# Altium PCB ZYNQ-7000_SOM_Bd.PcbDoc (part 1 of 6)
Units mm, origin at the board's own origin, x right, y up, seen from the top; angles counter-clockwise.
Board outline 69.6 x 45 mm, 8 copper layers (L1 (Sig), L2 (GND), L3 (PWR), L4 (Sig), L5 (GND), L6 (Sig), L7 (GND), L8 (Sig)), stack 1.188 mm thick; 246 components, 201 nets, 1392 pads, 883 vias.
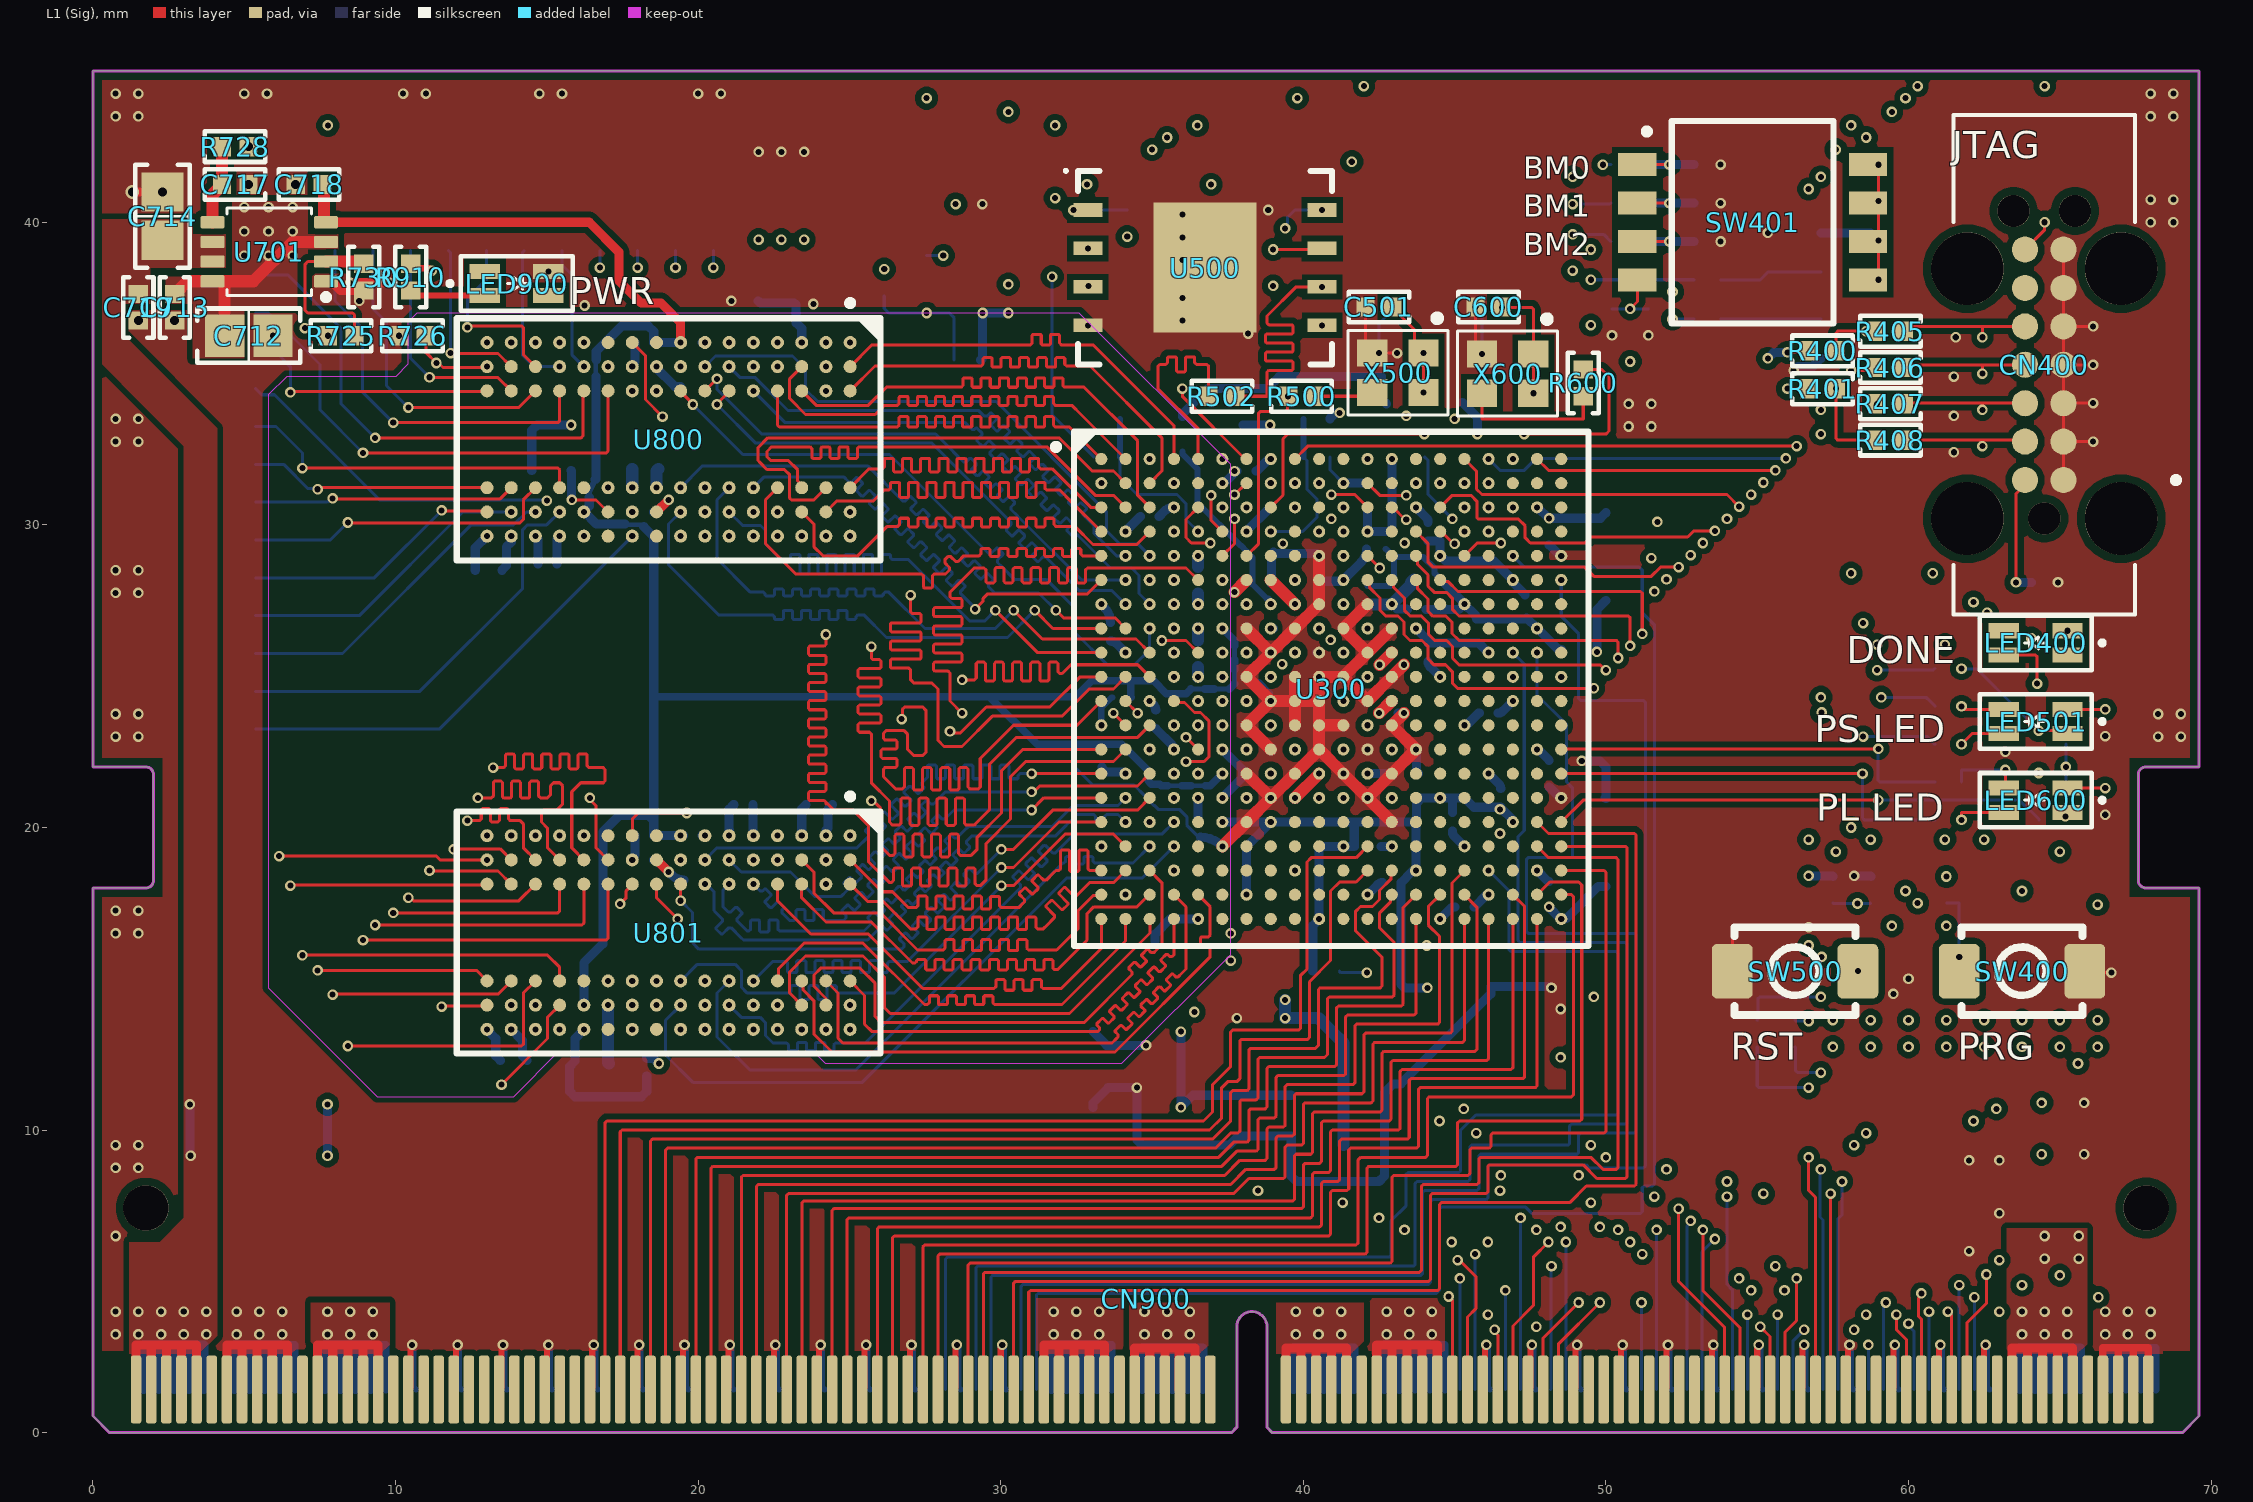
[diagram p0: L1 (Sig) view]
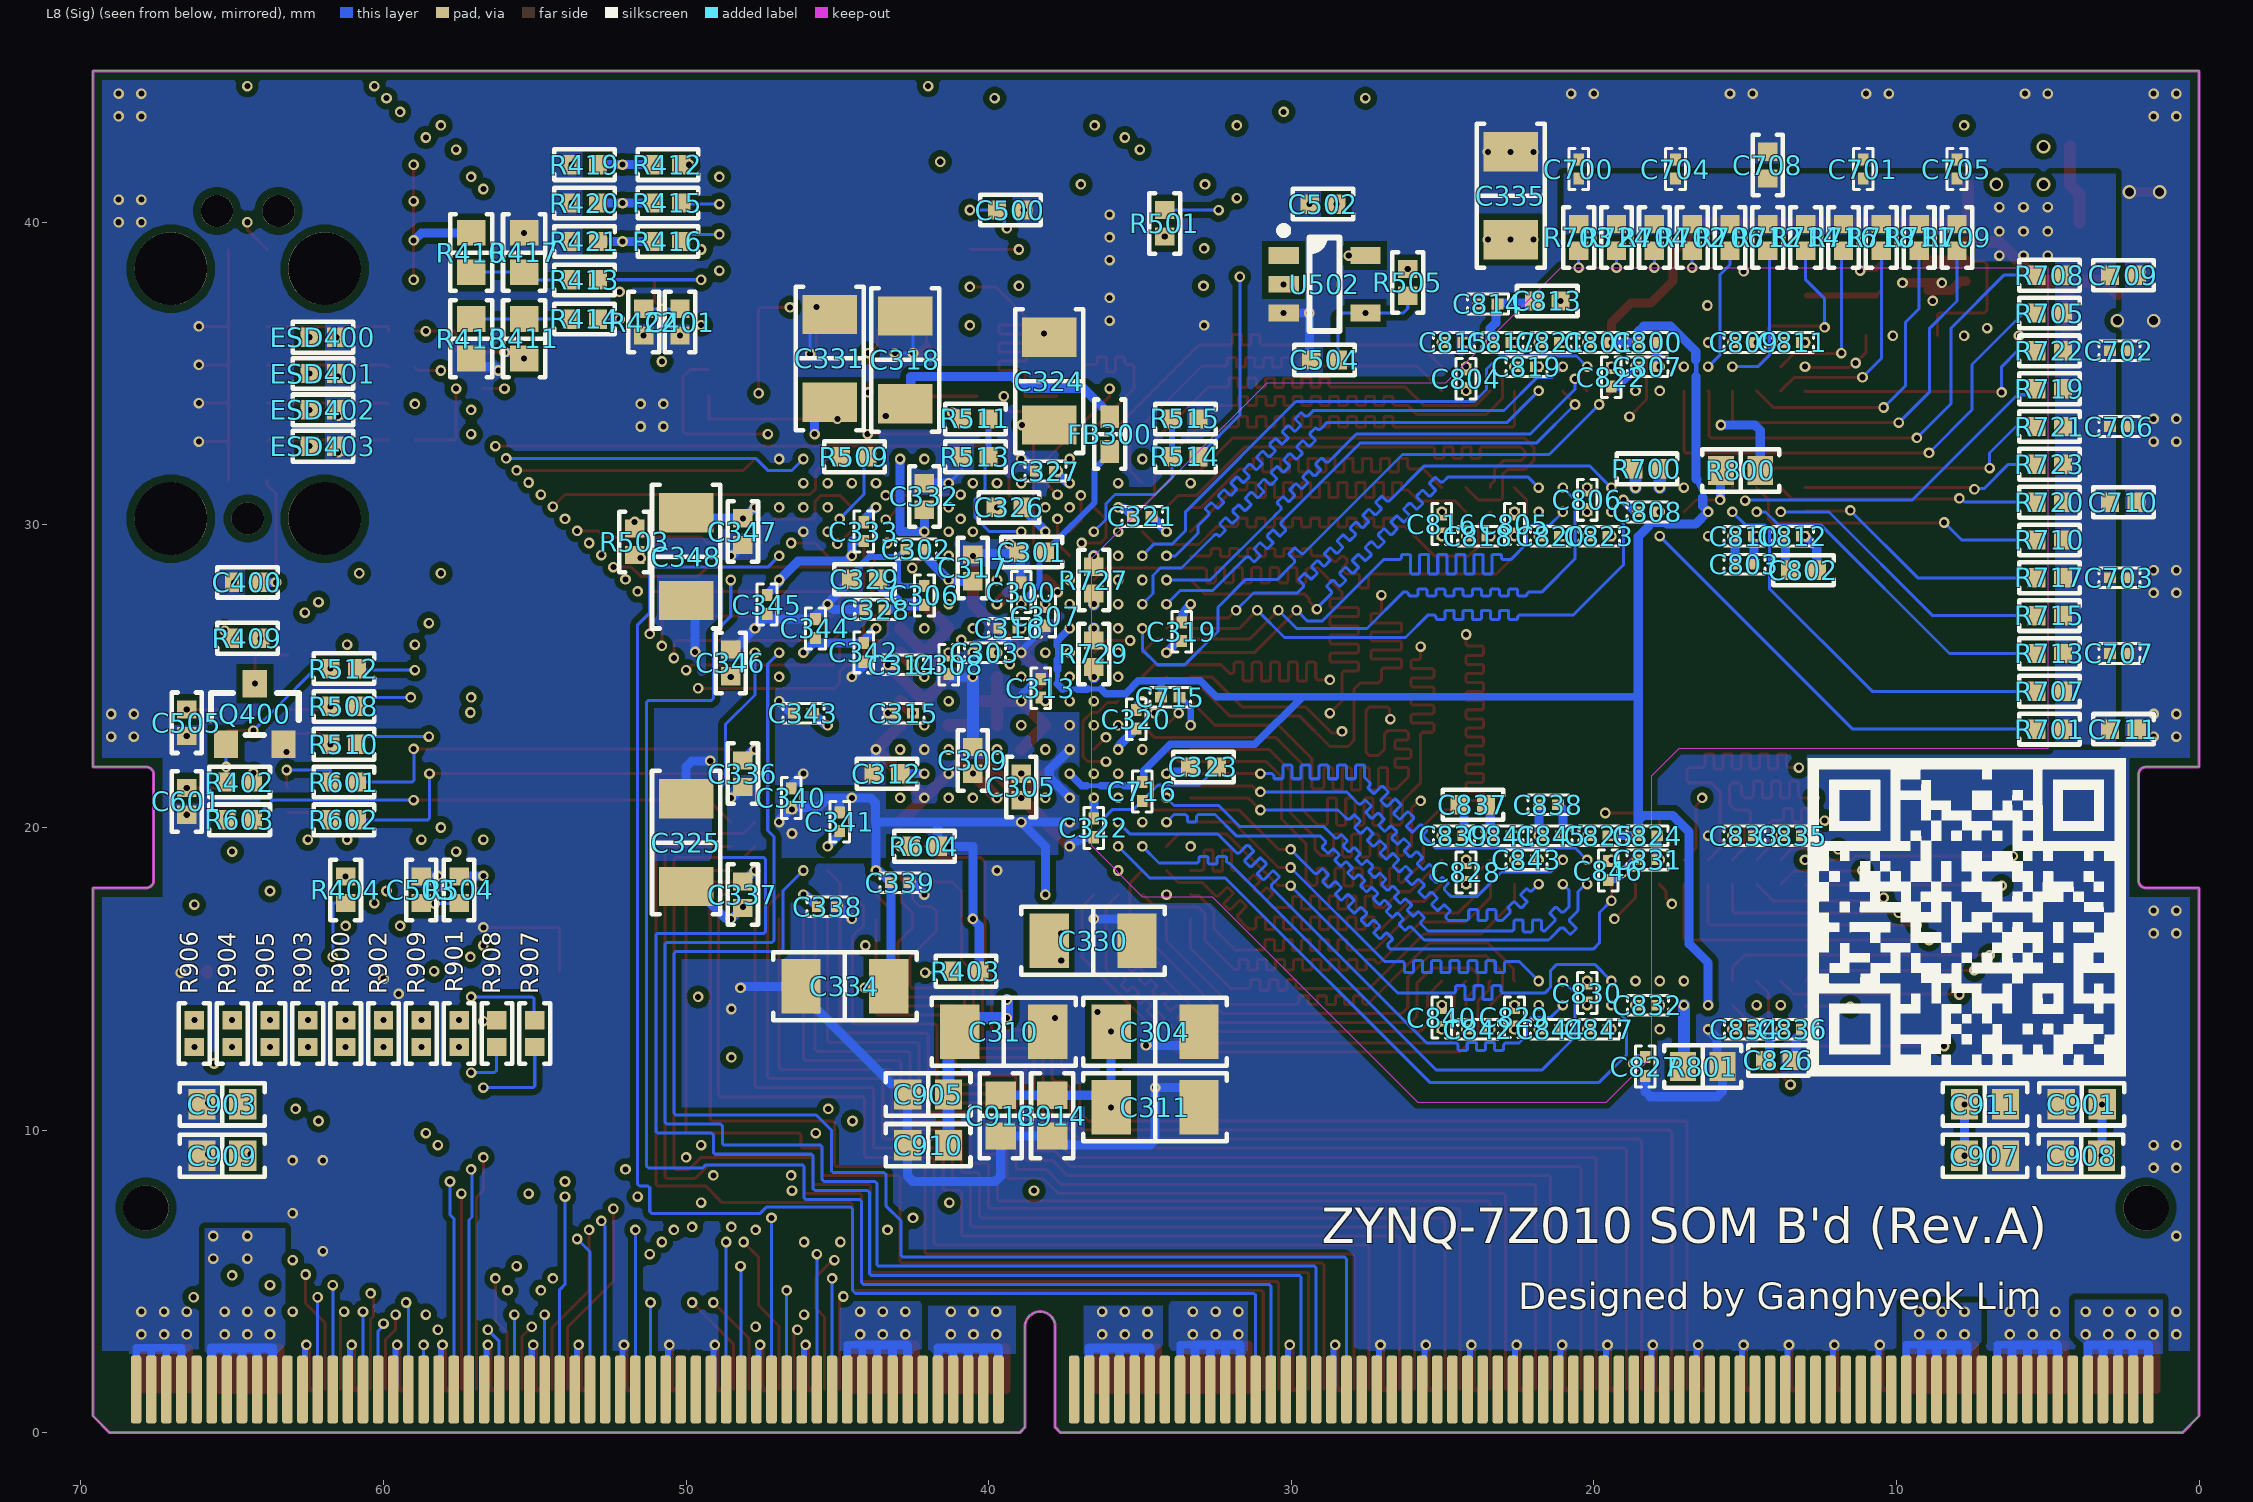
[diagram p1: L8 (Sig) view, seen from below]
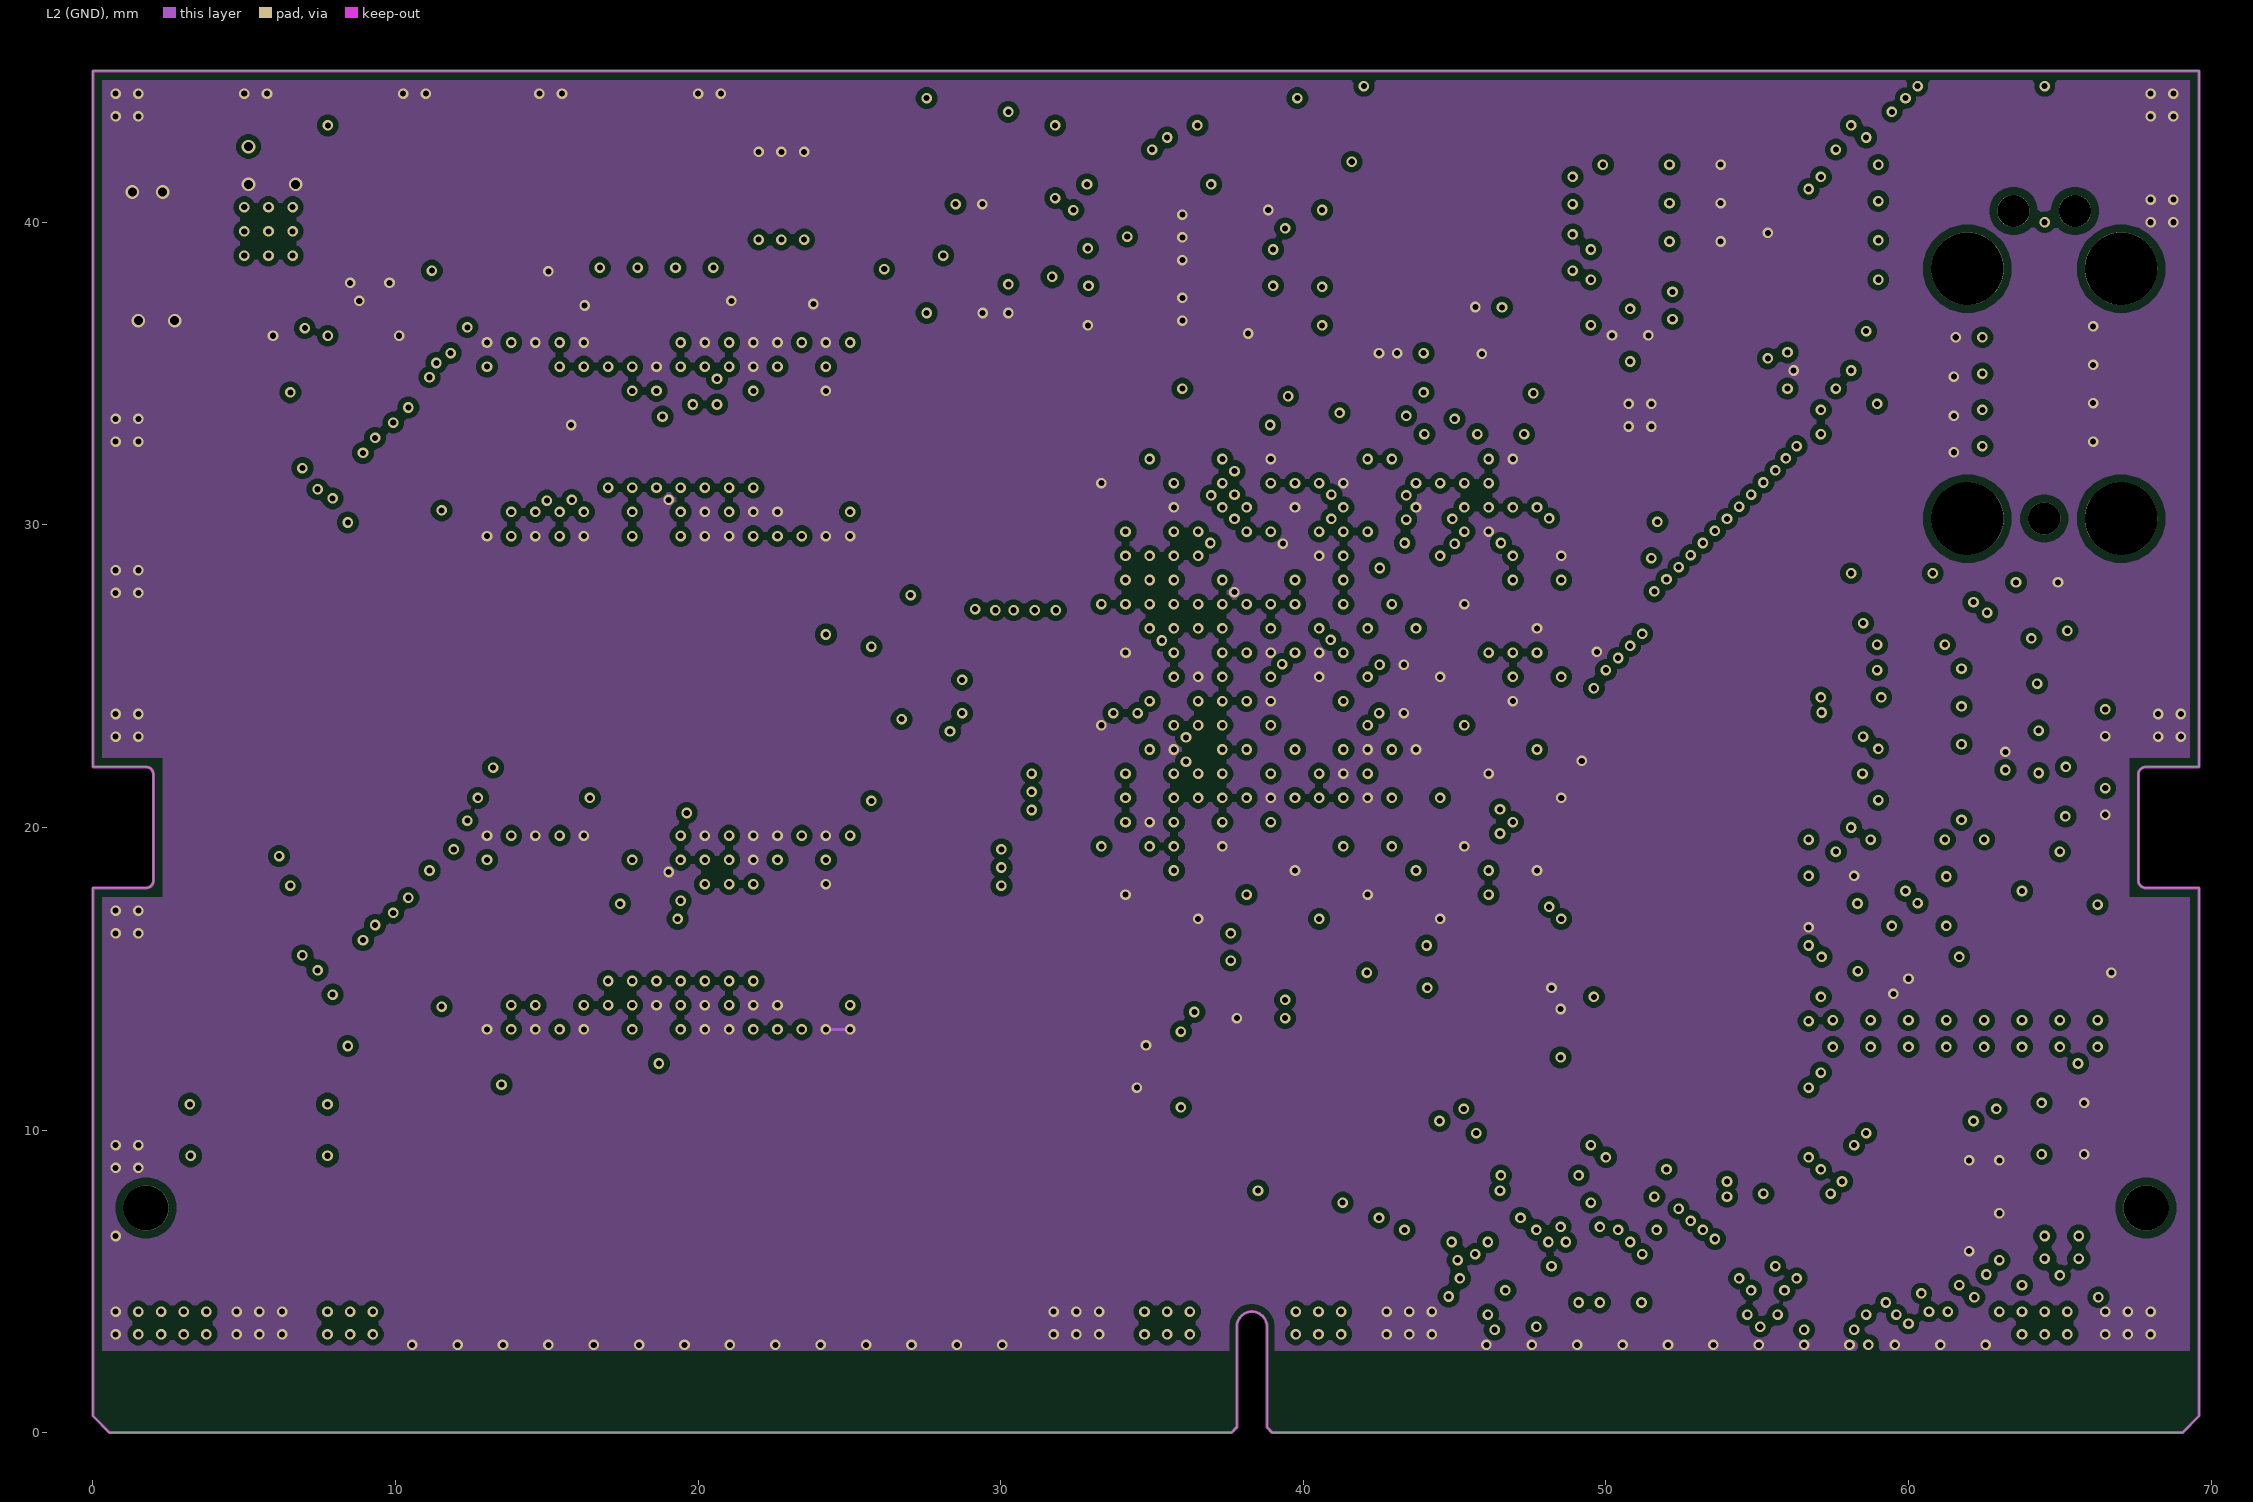
[diagram p2: L2 (GND)]
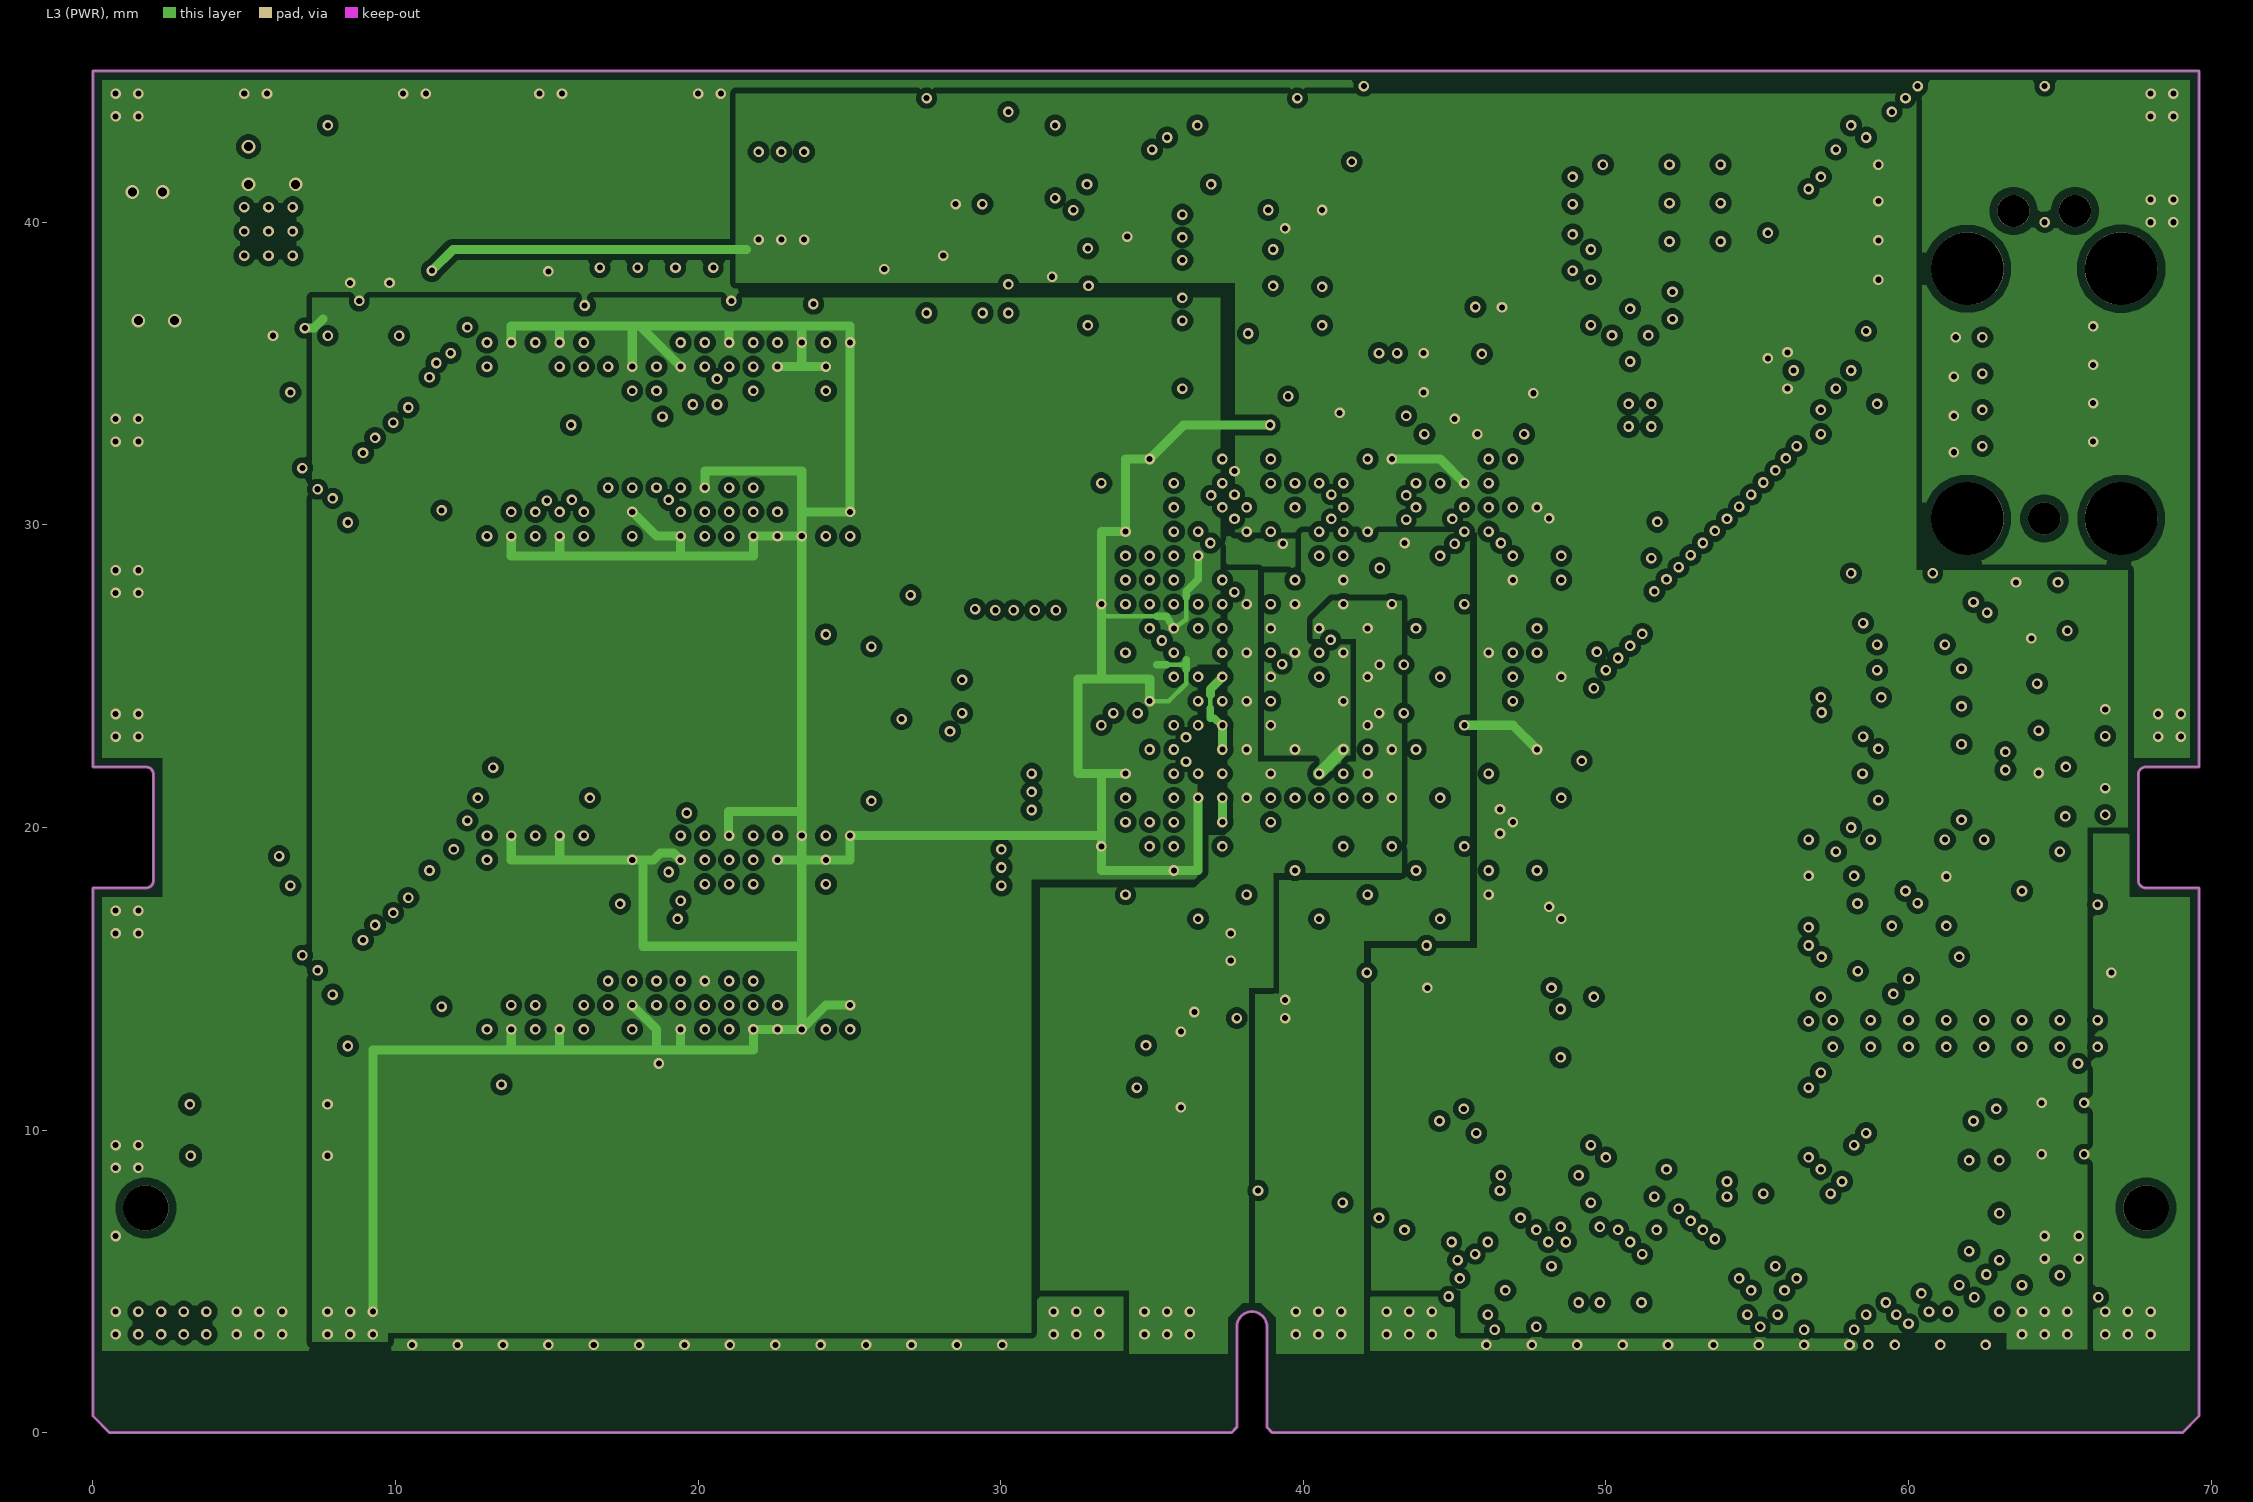
[diagram p3: L3 (PWR)]
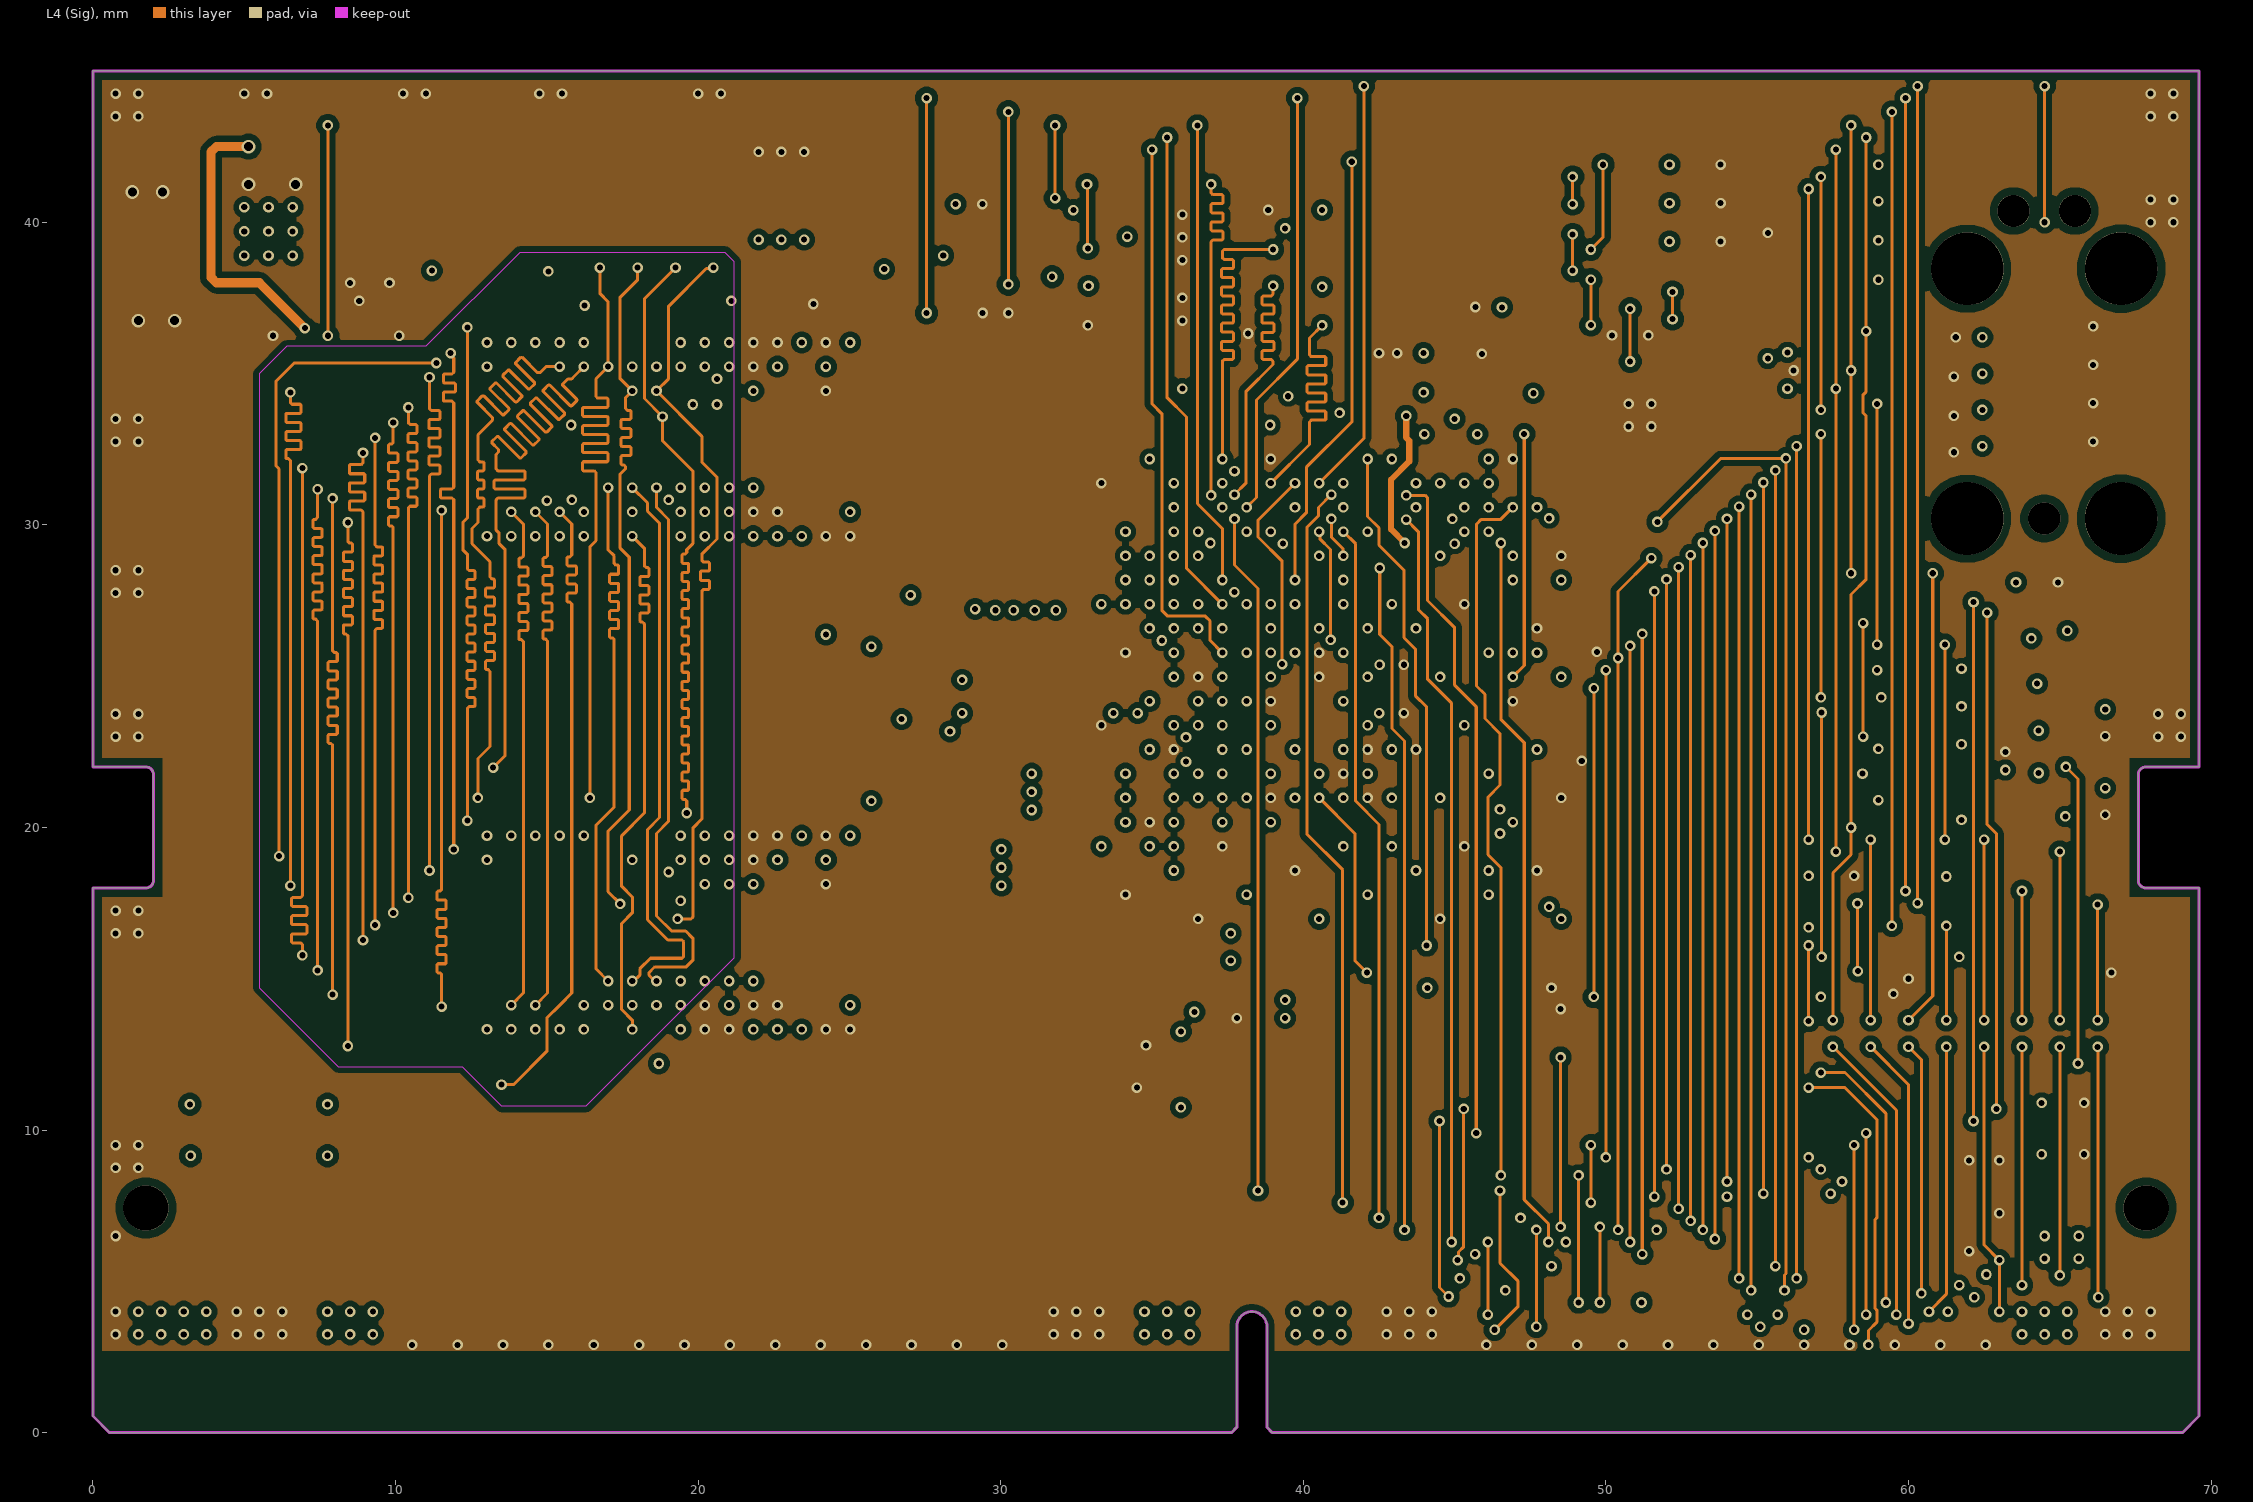
[diagram p4: L4 (Sig)]